# KiCad board Transmi.kicad_pcb (continued)
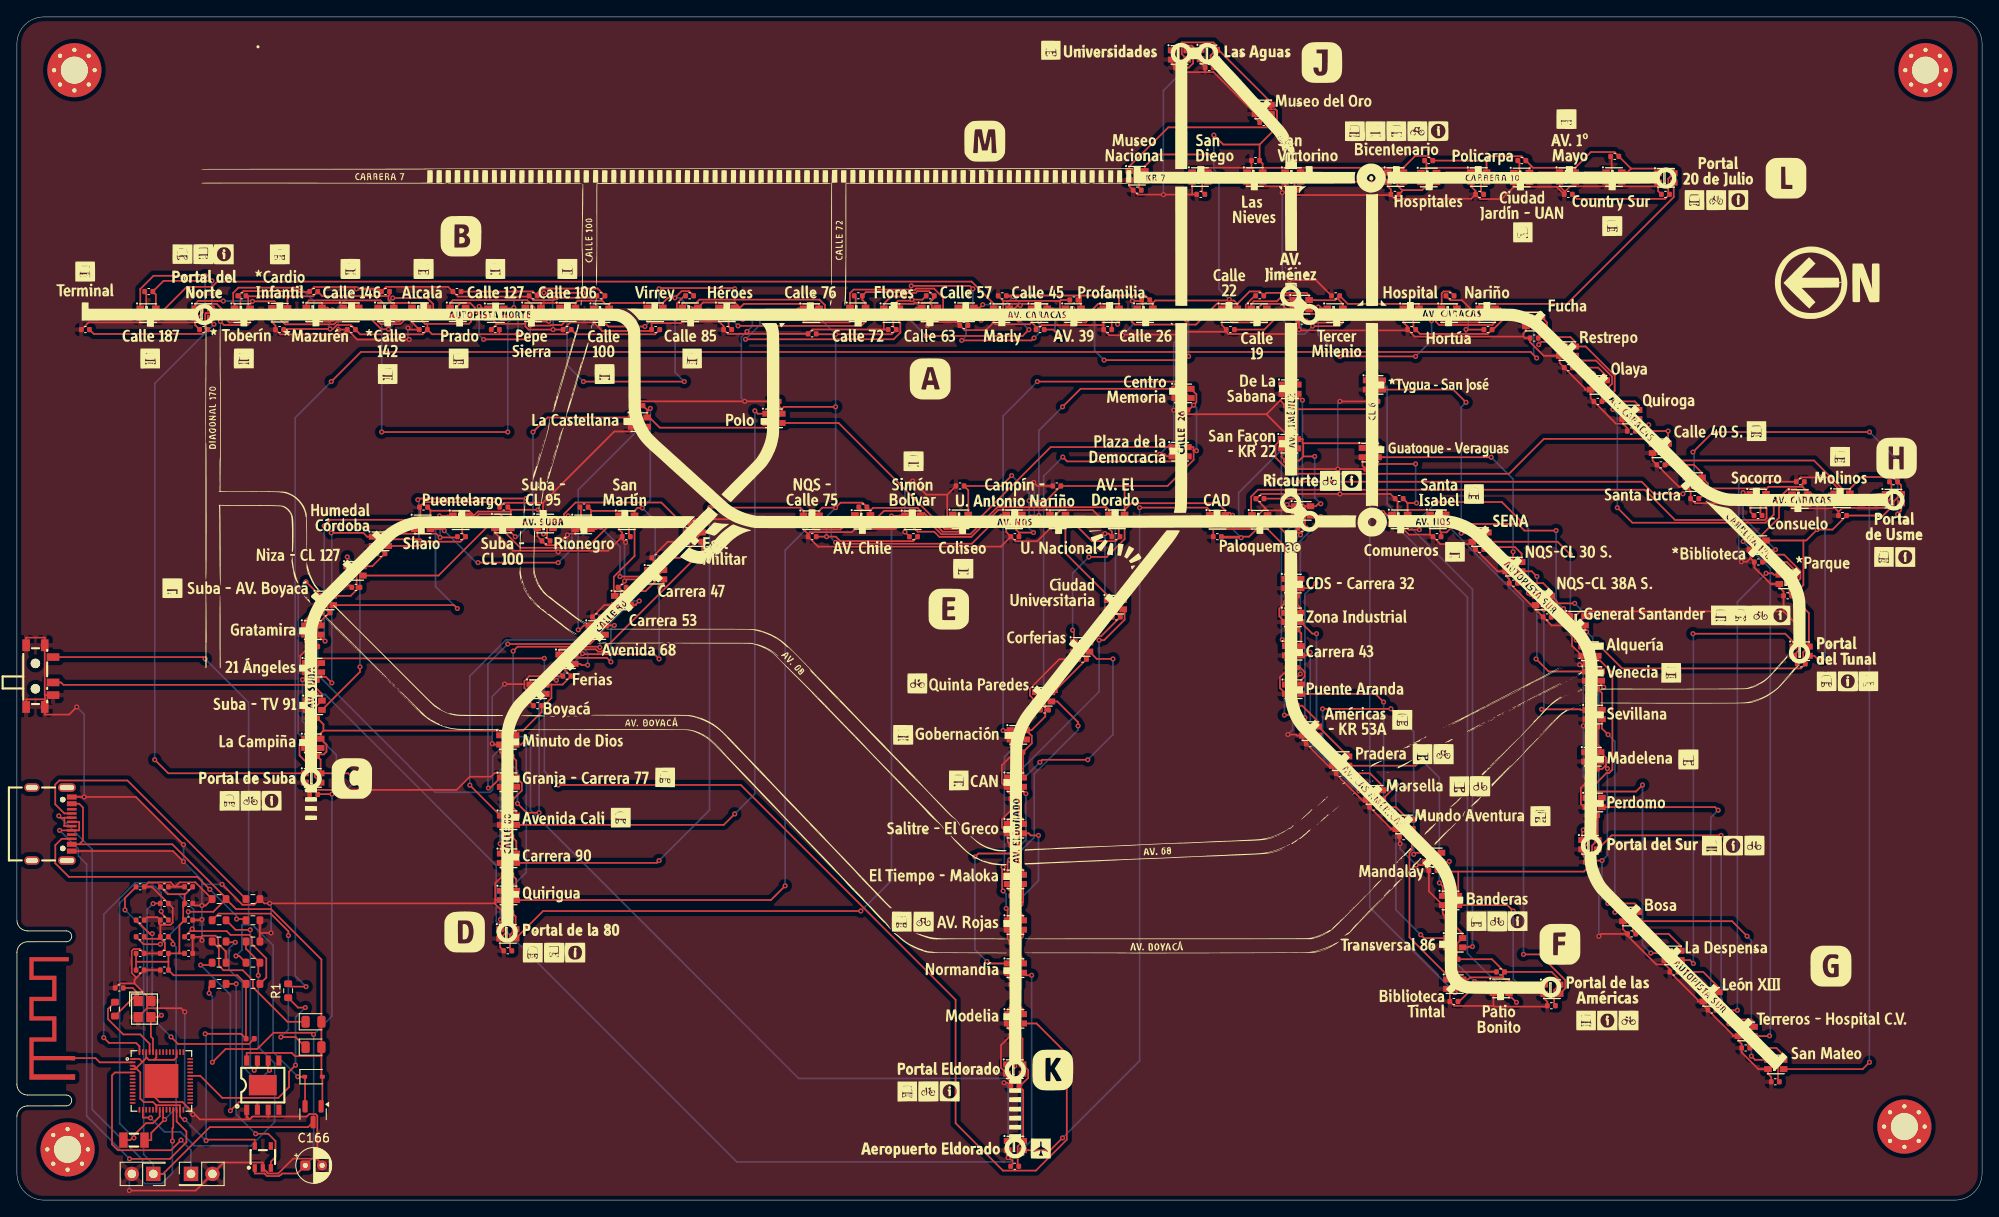
[diagram p0: board, top side]
## Routing (per net, layer and track width the routed paths; a pad name or vN(x,y) marks a point on that pad's centre or on a via; arc(x,y) is an arc through that point) (continued)
Net-(U103-PROG): length 24.7
  Top w0.2: U103.2 28.47,11.59 26.28,11.59 v1(25.27,10.58) ; R105.1 22.83,27.81 v1(21.75,27.81)
  Bottom w0.2: v1(25.27,10.58) 25.27,24.29 v1(21.75,27.81)
Net-(USB101-CC1): length 33.3
  Top w0.2: USB101.A5 5.62,45.75 4.54,46.83 4.54,49.17 5.01,49.65 13.09,49.65 R108.1
Net-(USB101-CC2): length 30
  Top w0.2: R109.1 26.97,33.25 v1(26,33.25) ; v1(22.83,36.77) 21.36,38.24 6.15,38.24 4.55,39.85 4.55,42 5.3,42.75 USB101.B5
  Bottom w0.2: v1(22.83,36.77) 26,33.6 v1(26,33.25)
Net-(X101-OSC1): length 6.8
  Top w0.2: C103.2 13.71,25.1 14.36,24.45 14.36,24.33 ; 14.36,24.33 14.16,24.33 R107.1 ; 14.36,24.33 X101.1

## Copper pours and planes (outline as drawn; the poured copper is in the pictures)
Earth on Top: -2.89,142.6 -5.39,-4.4 236.61,-5.4 237.61,143.6
